# Allegro board S071AA-0413-20260427.brd (continued)
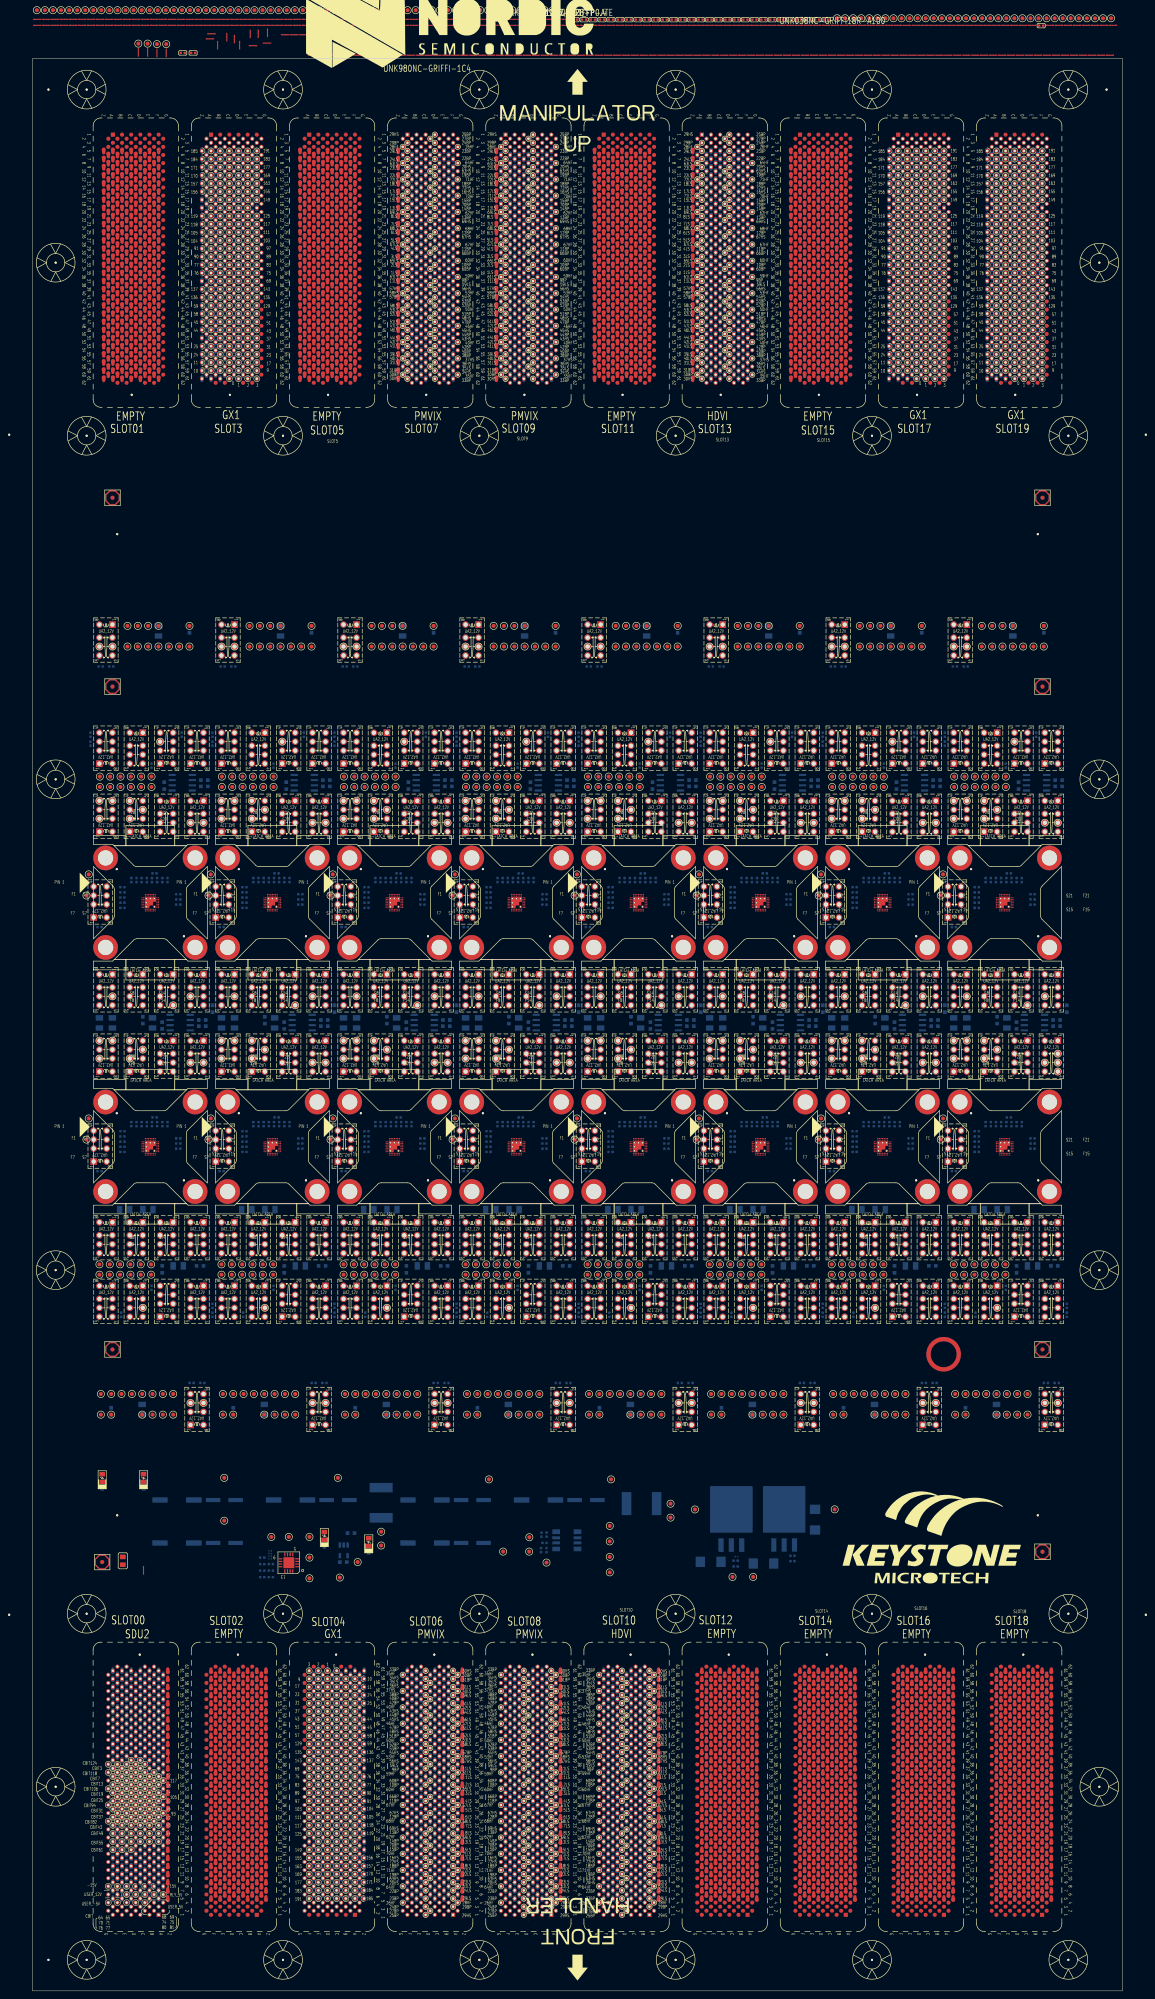
[diagram p0: board, top side]
## Nets (continued)
N05396: UNK2K6.4 UNK2R3.1
N05400: UNK2K5.4 UNK2R2.1
N05404: UNK2R41.2 UNK2R42.1
N05614: UNK2C5.1 UNK2K8.5
N05638: UNK2C3.1 UNK2K2.4
N05774: UNK2C4.2 UNK2K8.4
N05938: SITE2.S24(PVSS_S) UNK2RS2.2 UNK2RS4.2
N05964: UNK2R14.1 UNK2SH7.1 UNK2SH9.2 UNK2SH14.2 UNK2SH16.2 UNK2SH30.1 UNK2SH32.2
N05980: UNK2R13.1 UNK2SH2.1 UNK2SH20.1 UNK2SH29.1 UNK2SH33.1 UNK2SH34.1 UNK2SH39.2
N10483: UNK3K7.4 UNK3R41.1
N10487: UNK3K6.4 UNK3R3.1
N10491: UNK3K5.4 UNK3R2.1
N10495: UNK3R41.2 UNK3R42.1
N10705: UNK3C5.1 UNK3K8.5
N10729: UNK3C3.1 UNK3K2.4
N10865: UNK3C4.2 UNK3K8.4
N11029: SITE3.S24(PVSS_S) UNK3RS2.2 UNK3RS4.2
N11055: UNK3R14.1 UNK3SH7.1 UNK3SH9.2 UNK3SH14.2 UNK3SH16.2 UNK3SH30.1 UNK3SH32.2
N11071: UNK3R13.1 UNK3SH2.1 UNK3SH20.1 UNK3SH29.1 UNK3SH33.1 UNK3SH34.1 UNK3SH39.2
N15574: UNK4K7.4 UNK4R41.1
N15578: UNK4K6.4 UNK4R3.1
N15582: UNK4K5.4 UNK4R2.1
N15586: UNK4R41.2 UNK4R42.1
N15796: UNK4C5.1 UNK4K8.5
N15820: UNK4C3.1 UNK4K2.4
N15956: UNK4C4.2 UNK4K8.4
N16120: SITE4.S24(PVSS_S) UNK4RS2.2 UNK4RS4.2
N16146: UNK4R14.1 UNK4SH7.1 UNK4SH9.2 UNK4SH14.2 UNK4SH16.2 UNK4SH30.1 UNK4SH32.2
N16162: UNK4R13.1 UNK4SH2.1 UNK4SH20.1 UNK4SH29.1 UNK4SH33.1 UNK4SH34.1 UNK4SH39.2
N20665: UNK5K7.4 UNK5R41.1
N20669: UNK5K6.4 UNK5R3.1
N20673: UNK5K5.4 UNK5R2.1
N20677: UNK5R41.2 UNK5R42.1
N20887: UNK5C5.1 UNK5K8.5
N20911: UNK5C3.1 UNK5K2.4
N21047: UNK5C4.2 UNK5K8.4
N21211: SITE5.S24(PVSS_S) UNK5RS2.2 UNK5RS4.2
N21237: UNK5R14.1 UNK5SH7.1 UNK5SH9.2 UNK5SH14.2 UNK5SH16.2 UNK5SH30.1 UNK5SH32.2
N21253: UNK5R13.1 UNK5SH2.1 UNK5SH20.1 UNK5SH29.1 UNK5SH33.1 UNK5SH34.1 UNK5SH39.2
N25756: UNK6K7.4 UNK6R41.1
N25760: UNK6K6.4 UNK6R3.1
N25764: UNK6K5.4 UNK6R2.1
N25768: UNK6R41.2 UNK6R42.1
N25978: UNK6C5.1 UNK6K8.5
N26002: UNK6C3.1 UNK6K2.4
N26138: UNK6C4.2 UNK6K8.4
N26302: SITE6.S24(PVSS_S) UNK6RS2.2 UNK6RS4.2
N26328: UNK6R14.1 UNK6SH7.1 UNK6SH9.2 UNK6SH14.2 UNK6SH16.2 UNK6SH30.1 UNK6SH32.2
N26344: UNK6R13.1 UNK6SH2.1 UNK6SH20.1 UNK6SH29.1 UNK6SH33.1 UNK6SH34.1 UNK6SH39.2
N30847: UNK7K7.4 UNK7R41.1
N30851: UNK7K6.4 UNK7R3.1
N30855: UNK7K5.4 UNK7R2.1
N30859: UNK7R41.2 UNK7R42.1
N31069: UNK7C5.1 UNK7K8.5
N31093: UNK7C3.1 UNK7K2.4
N31229: UNK7C4.2 UNK7K8.4
N31393: SITE7.S24(PVSS_S) UNK7RS2.2 UNK7RS4.2
N31419: UNK7R14.1 UNK7SH7.1 UNK7SH9.2 UNK7SH14.2 UNK7SH16.2 UNK7SH30.1 UNK7SH32.2
N31435: UNK7R13.1 UNK7SH2.1 UNK7SH20.1 UNK7SH29.1 UNK7SH33.1 UNK7SH34.1 UNK7SH39.2
N35938: UNK8K7.4 UNK8R41.1
N35942: UNK8K6.4 UNK8R3.1
N35946: UNK8K5.4 UNK8R2.1
N35950: UNK8R41.2 UNK8R42.1
N36160: UNK8C5.1 UNK8K8.5
N36184: UNK8C3.1 UNK8K2.4
N36320: UNK8C4.2 UNK8K8.4
N36484: SITE8.S24(PVSS_S) UNK8RS2.2 UNK8RS4.2
N36510: UNK8R14.1 UNK8SH7.1 UNK8SH9.2 UNK8SH14.2 UNK8SH16.2 UNK8SH30.1 UNK8SH32.2
N36526: UNK8R13.1 UNK8SH2.1 UNK8SH20.1 UNK8SH29.1 UNK8SH33.1 UNK8SH34.1 UNK8SH39.2
N41029: UNK9K7.4 UNK9R41.1
N41033: UNK9K6.4 UNK9R3.1
N41037: UNK9K5.4 UNK9R2.1
N41041: UNK9R41.2 UNK9R42.1
N41251: UNK9C5.1 UNK9K8.5
N41275: UNK9C3.1 UNK9K2.4
N41411: UNK9C4.2 UNK9K8.4
N41575: SITE9.S24(PVSS_S) UNK9RS2.2 UNK9RS4.2
N41601: UNK9R14.1 UNK9SH7.1 UNK9SH9.2 UNK9SH14.2 UNK9SH16.2 UNK9SH30.1 UNK9SH32.2
N41617: UNK9R13.1 UNK9SH2.1 UNK9SH20.1 UNK9SH29.1 UNK9SH33.1 UNK9SH34.1 UNK9SH39.2
N46120: UNK10K7.4 UNK10R41.1
N46124: UNK10K6.4 UNK10R3.1
N46128: UNK10K5.4 UNK10R2.1
N46132: UNK10R41.2 UNK10R42.1
N46342: UNK10C5.1 UNK10K8.5
N46366: UNK10C3.1 UNK10K2.4
N46502: UNK10C4.2 UNK10K8.4
N46666: SITE10.S24(PVSS_S) UNK10RS2.2 UNK10RS4.2
N46692: UNK10R14.1 UNK10SH7.1 UNK10SH9.2 UNK10SH14.2 UNK10SH16.2 UNK10SH30.1 UNK10SH32.2
N46708: UNK10R13.1 UNK10SH2.1 UNK10SH20.1 UNK10SH29.1 UNK10SH33.1 UNK10SH34.1 UNK10SH39.2
N51211: UNK11K7.4 UNK11R41.1
N51215: UNK11K6.4 UNK11R3.1
N51219: UNK11K5.4 UNK11R2.1
N51223: UNK11R41.2 UNK11R42.1
N51433: UNK11C5.1 UNK11K8.5
N51457: UNK11C3.1 UNK11K2.4
N51593: UNK11C4.2 UNK11K8.4
N51757: SITE11.S24(PVSS_S) UNK11RS2.2 UNK11RS4.2
N51783: UNK11R14.1 UNK11SH7.1 UNK11SH9.2 UNK11SH14.2 UNK11SH16.2 UNK11SH30.1 UNK11SH32.2
N51799: UNK11R13.1 UNK11SH2.1 UNK11SH20.1 UNK11SH29.1 UNK11SH33.1 UNK11SH34.1 UNK11SH39.2
N56302: UNK12K7.4 UNK12R41.1
N56306: UNK12K6.4 UNK12R3.1
N56310: UNK12K5.4 UNK12R2.1
N56314: UNK12R41.2 UNK12R42.1
N56524: UNK12C5.1 UNK12K8.5
N56548: UNK12C3.1 UNK12K2.4
N56684: UNK12C4.2 UNK12K8.4
N56848: SITE12.S24(PVSS_S) UNK12RS2.2 UNK12RS4.2
N56874: UNK12R14.1 UNK12SH7.1 UNK12SH9.2 UNK12SH14.2 UNK12SH16.2 UNK12SH30.1 UNK12SH32.2
N56890: UNK12R13.1 UNK12SH2.1 UNK12SH20.1 UNK12SH29.1 UNK12SH33.1 UNK12SH34.1 UNK12SH39.2
N61393: UNK13K7.4 UNK13R41.1
N61397: UNK13K6.4 UNK13R3.1
N61401: UNK13K5.4 UNK13R2.1
N61405: UNK13R41.2 UNK13R42.1
N61615: UNK13C5.1 UNK13K8.5
N61639: UNK13C3.1 UNK13K2.4
N61775: UNK13C4.2 UNK13K8.4
N61939: SITE13.S24(PVSS_S) UNK13RS2.2 UNK13RS4.2
N61965: UNK13R14.1 UNK13SH7.1 UNK13SH9.2 UNK13SH14.2 UNK13SH16.2 UNK13SH30.1 UNK13SH32.2
N61981: UNK13R13.1 UNK13SH2.1 UNK13SH20.1 UNK13SH29.1 UNK13SH33.1 UNK13SH34.1 UNK13SH39.2
N66484: UNK14K7.4 UNK14R41.1
N66488: UNK14K6.4 UNK14R3.1
N66492: UNK14K5.4 UNK14R2.1
N66496: UNK14R41.2 UNK14R42.1
N66706: UNK14C5.1 UNK14K8.5
N66730: UNK14C3.1 UNK14K2.4
N66866: UNK14C4.2 UNK14K8.4
N67030: SITE14.S24(PVSS_S) UNK14RS2.2 UNK14RS4.2
N67056: UNK14R14.1 UNK14SH7.1 UNK14SH9.2 UNK14SH14.2 UNK14SH16.2 UNK14SH30.1 UNK14SH32.2
N67072: UNK14R13.1 UNK14SH2.1 UNK14SH20.1 UNK14SH29.1 UNK14SH33.1 UNK14SH34.1 UNK14SH39.2
N71575: UNK15K7.4 UNK15R41.1
N71579: UNK15K6.4 UNK15R3.1
N71583: UNK15K5.4 UNK15R2.1
N71587: UNK15R41.2 UNK15R42.1
N71797: UNK15C5.1 UNK15K8.5
N71821: UNK15C3.1 UNK15K2.4
N71957: UNK15C4.2 UNK15K8.4
N72121: SITE15.S24(PVSS_S) UNK15RS2.2 UNK15RS4.2
N72147: UNK15R14.1 UNK15SH7.1 UNK15SH9.2 UNK15SH14.2 UNK15SH16.2 UNK15SH30.1 UNK15SH32.2
N72163: UNK15R13.1 UNK15SH2.1 UNK15SH20.1 UNK15SH29.1 UNK15SH33.1 UNK15SH34.1 UNK15SH39.2
N76666: UNK16K7.4 UNK16R41.1
N76670: UNK16K6.4 UNK16R3.1
N76674: UNK16K5.4 UNK16R2.1
N76678: UNK16R41.2 UNK16R42.1
N76888: UNK16C5.1 UNK16K8.5
N76912: UNK16C3.1 UNK16K2.4
N77048: UNK16C4.2 UNK16K8.4
N77212: SITE16.S24(PVSS_S) UNK16RS2.2 UNK16RS4.2
N77238: UNK16R14.1 UNK16SH7.1 UNK16SH9.2 UNK16SH14.2 UNK16SH16.2 UNK16SH30.1 UNK16SH32.2
N77254: UNK16R13.1 UNK16SH2.1 UNK16SH20.1 UNK16SH29.1 UNK16SH33.1 UNK16SH34.1 UNK16SH39.2
N19416570: UNK1K7.4 UNK1R41.1
N19416573: UNK1K6.4 UNK1R3.1
N19416576: UNK1K5.4 UNK1R2.1
N19416583: UNK1R41.2 UNK1R42.1
N19419031: UNK1C5.1 UNK1K8.5
N19465903: UNK1C3.1 UNK1K2.4
N19474263: UNK1C4.2 UNK1K8.4
N19657625: SITE1.S24(PVSS_S) UNK1RS2.2 UNK1RS4.2
N19659235: UNK1R14.1 UNK1SH7.1 UNK1SH9.2 UNK1SH14.2 UNK1SH16.2 UNK1SH30.1 UNK1SH32.2
N19659515: UNK1R13.1 UNK1SH2.1 UNK1SH20.1 UNK1SH29.1 UNK1SH33.1 UNK1SH34.1 UNK1SH39.2
N22962297: BR4.1 USER_12V1.2(B)
N22962300: BR1.1 USER_5V1.2(B)
N22962303: BR2.1 USER_-5V1.2(B)
N22962306: BR3.1 RLY_5V1.2(B)

Pads without a net: FD1 1; FD2 1; FD3 1; FD4 1; FD5 1; FD6 1; FD7 1; FD8 1; FD9 1; FD10 1; FD11 1; FD12 1; FD13 1; FD14 1; FD15 1; FD16 1; LOGO1 1; LOGO2 1; NPM1212-GRIFFI 1; NPM1212-QFN28-P0.4 1; SITE1 NUT1 NUT2 NUT3 NUT4; SITE2 NUT1 NUT2 NUT3 NUT4; SITE3 NUT1 NUT2 NUT3 NUT4; SITE4 NUT1 NUT2 NUT3 NUT4; SITE5 NUT1 NUT2 NUT3 NUT4; SITE6 NUT1 NUT2 NUT3 NUT4; SITE7 NUT1 NUT2 NUT3 NUT4; SITE8 NUT1 NUT2 NUT3 NUT4; SITE9 NUT1 NUT2 NUT3 NUT4; SITE10 NUT1 NUT2 NUT3 NUT4; SITE11 NUT1 NUT2 NUT3 NUT4; SITE12 NUT1 NUT2 NUT3 NUT4; SITE13 NUT1 NUT2 NUT3 NUT4; SITE14 NUT1 NUT2 NUT3 NUT4; SITE15 NUT1 NUT2 NUT3 NUT4; SITE16 NUT1 NUT2 NUT3 NUT4; SLOT0 A1 A48 B1 C1 D1 E1 F1 G48 Z5 Z7 Z9 Z11 Z13 Z15 Z17 Z19 Z21 Z23 Z25 Z27 Z29 Z31 Z33 Z35 Z37 Z39 Z41 Z43 Z45 Z47 Z49 Z51 Z53 Z55 Z57 Z59 Z61; SLOT1 A1 A2 A3 A4 A5 A6 A7 A8 A9 A10 A11 A12 A13 A14 A15 A16 A17 A18 A19 A20 A21 A22 A23 A24 A25 A26 A27 A28 A29 A30 A31 A32 A33 A34 A35 A36 A37 A38 A39 A40 A41 A42 A43 A44 A45 A46 A47 A48 A49 A50 A51 A52 A53 A54 A55 A56 A57 A58 A59 A60 A61 B1 B2 B3 B4 B5 B6 B7 B8 B9 B10 B11 B12 B13 B14 B15 B16 B17 B18 B19 B20 B21 B22 B23 B24 B25 B26 B27 B28 B29 B30 B31 B32 B33 B34 B35 B36 B37 B38 B39 B40 B41 B42 B43 B44 B45 B46 B47 B48 B49 B50 B51 B52 B53 B54 B55 B56 B57 B58 B59 B60 B61 B62 C1 C2 C3 C4 C5 C6 C7 C8 C9 C10 C11 C12 C13 C14 C15 C16 C17 C18 C19 C20 C21 C22 C23 C24 C25 C26 C27 C28 C29 C30 C31 C32 C33 C34 C35 C36 C37 C38 C39 C40 C41 C42 C43 C44 C45 C46 C47 C48 C49 C50 C51 C52 C53 C54 C55 C56 C57 C58 C59 C60 C61 C62 D1 D2 D3 D4 D5 D6 D7 D8 D9 D10 D11 D12 D13 D14 D15 D16 D17 D18 D19 D20 D21 D22 D23 D24 D25 D26 D27 D28 D29 D30 D31 D32 D33 D34 D35 D36 D37 D38 D39 D40 D41 D42 D43 D44 D45 D46 D47 D48 D49 D50 D51 D52 D53 D54 D55 D56 D57 D58 D59 D60 D61 E1 E2 E3 E4 E5 E6 E7 E8 E9 E10 E11 E12 E13 E14 E15 E16 E17 E18 E19 E20 E21 E22 E23 E24 E25 E26 E27 E28 E29 E30 E31 E32 E33 E34 E35 E36 E37 E38 E39 E40 E41 E42 E43 E44 E45 E46 E47 E48 E49 E50 E51 E52 E53 E54 E55 E56 E57 E58 E59 E60 E61 E62 F1 F2 F3 F4 F5 F6 F7 F8 F9 F10 F11 F12 F13 F14 F15 F16 F17 F18 F19 F20 F21 F22 F23 F24 F25 F26 F27 F28 F29 F30 F31 F32 F33 F34 F35 F36 F37 F38 F39 F40 F41 F42 F43 F44 F45 F46 F47 F48 F49 F50 F51 F52 F53 F54 F55 F56 F57 F58 F59 F60 F61 F62 G2 G4 G6 G8 G10 G12 G14 G16 G18 G20 G22 G24 G26 G28 G30 G32 G34 G36 G38 G40 G42 G44 G46 G48 G50 G52 G54 G56 G58 G60 Z5 Z7 Z9 Z11 Z13 Z15 Z17 Z19 Z21 Z23 Z25 Z27 Z29 Z31 Z33 Z35 Z37 Z39 Z41 Z43 Z45 Z47 Z49 Z51 Z53 Z55 Z57 Z59 Z61; SLOT2 A1 A2 A3 A4 A5 A6 A7 A8 A9 A10 A11 A12 A13 A14 A15 A16 A17 A18 A19 A20 A21 A22 A23 A24 A25 A26 A27 A28 A29 A30 A31 A32 A33 A34 A35 A36 A37 A38 A39 A40 A41 A42 A43 A44 A45 A46 A47 A48 A49 A50 A51 A52 A53 A54 A55 A56 A57 A58 A59 A60 A61 B1 B2 B3 B4 B5 B6 B7 B8 B9 B10 B11 B12 B13 B14 B15 B16 B17 B18 B19 B20 B21 B22 B23 B24 B25 B26 B27 B28 B29 B30 B31 B32 B33 B34 B35 B36 B37 B38 B39 B40 B41 B42 B43 B44 B45 B46 B47 B48 B49 B50 B51 B52 B53 B54 B55 B56 B57 B58 B59 B60 B61 B62 C1 C2 C3 C4 C5 C6 C7 C8 C9 C10 C11 C12 C13 C14 C15 C16 C17 C18 C19 C20 C21 C22 C23 C24 C25 C26 C27 C28 C29 C30 C31 C32 C33 C34 C35 C36 C37 C38 C39 C40 C41 C42 C43 C44 C45 C46 C47 C48 C49 C50 C51 C52 C53 C54 C55 C56 C57 C58 C59 C60 C61 C62 D1 D2 D3 D4 D5 D6 D7 D8 D9 D10 D11 D12 D13 D14 D15 D16 D17 D18 D19 D20 D21 D22 D23 D24 D25 D26 D27 D28 D29 D30 D31 D32 D33 D34 D35 D36 D37 D38 D39 D40 D41 D42 D43 D44 D45 D46 D47 D48 D49 D50 D51 D52 D53 D54 D55 D56 D57 D58 D59 D60 D61 E1 E2 E3 E4 E5 E6 E7 E8 E9 E10 E11 E12 E13 E14 E15 E16 E17 E18 E19 E20 E21 E22 E23 E24 E25 E26 E27 E28 E29 E30 E31 E32 E33 E34 E35 E36 E37 E38 E39 E40 E41 E42 E43 E44 E45 E46 E47 E48 E49 E50 E51 E52 E53 E54 E55 E56 E57 E58 E59 E60 E61 E62 F1 F2 F3 F4 F5 F6 F7 F8 F9 F10 F11 F12 F13 F14 F15 F16 F17 F18 F19 F20 F21 F22 F23 F24 F25 F26 F27 F28 F29 F30 F31 F32 F33 F34 F35 F36 F37 F38 F39 F40 F41 F42 F43 F44 F45 F46 F47 F48 F49 F50 F51 F52 F53 F54 F55 F56 F57 F58 F59 F60 F61 F62 G2 G4 G6 G8 G10 G12 G14 G16 G18 G20 G22 G24 G26 G28 G30 G32 G34 G36 G38 G40 G42 G44 G46 G48 G50 G52 G54 G56 G58 G60 Z5 Z7 Z9 Z11 Z13 Z15 Z17 Z19 Z21 Z23 Z25 Z27 Z29 Z31 Z33 Z35 Z37 Z39 Z41 Z43 Z45 Z47 Z49 Z51 Z53 Z55 Z57 Z59 Z61; SLOT3 A1 A2 A3 A4 A19 A61 B1 B2 B3 B4 B61 B62 C1 C2 C3 C4 C62 D1 D2 D3 D4 D19 E1 E2 E3 E4 E19 E62 F1 F2 F3 F4 F62 G2 G4 G6 G8 G10 G12 G14 G16 G18 G20 G22 G24 G26 G28 G30 G32 G34 G36 G38 G40 G42 G44 G46 G48 G50 G52 G54 G56 G58 G60 Z17 Z19 Z37 Z51 Z61; SLOT4 A1 A2 A3 A4 A19 A61 B1 B2 B3 B4 B61 B62 C1 C2 C3 C4 C62 D1 D2 D3 D4 D19 E1 E2 E3 E4 E19 E62 F1 F2 F3 F4 F62 G2 G4 G6 G8 G10 G12 G14 G16 G18 G20 G22 G24 G26 G28 G30 G32 G34 G36 G38 G40 G42 G44 G46 G48 G50 G52 G54 G56 G58 G60 Z17 Z19 Z37 Z51 Z61; SLOT5 A1 A2 A3 A4 A5 A6 A7 A8 A9 A10 A11 A12 A13 A14 A15 A16 A17 A18 A19 A20 A21 A22 A23 A24 A25 A26 A27 A28 A29 A30 A31 A32 A33 A34 A35 A36 A37 A38 A39 A40 A41 A42 A43 A44 A45 A46 A47 A48 A49 A50 A51 A52 A53 A54 A55 A56 A57 A58 A59 A60 A61 B1 B2 B3 B4 B5 B6 B7 B8 B9 B10 B11 B12 B13 B14 B15 B16 B17 B18 B19 B20 B21 B22 B23 B24 B25 B26 B27 B28 B29 B30 B31 B32 B33 B34 B35 B36 B37 B38 B39 B40 B41 B42 B43 B44 B45 B46 B47 B48 B49 B50 B51 B52 B53 B54 B55 B56 B57 B58 B59 B60 B61 B62 C1 C2 C3 C4 C5 C6 C7 C8 C9 C10 C11 C12 C13 C14 C15 C16 C17 C18 C19 C20 C21 C22 C23 C24 C25 C26 C27 C28 C29 C30 C31 C32 C33 C34 C35 C36 C37 C38 C39 C40 C41 C42 C43 C44 C45 C46 C47 C48 C49 C50 C51 C52 C53 C54 C55 C56 C57 C58 C59 C60 C61 C62 D1 D2 D3 D4 D5 D6 D7 D8 D9 D10 D11 D12 D13 D14 D15 D16 D17 D18 D19 D20 D21 D22 D23 D24 D25 D26 D27 D28 D29 D30 D31 D32 D33 D34 D35 D36 D37 D38 D39 D40 D41 D42 D43 D44 D45 D46 D47 D48 D49 D50 D51 D52 D53 D54 D55 D56 D57 D58 D59 D60 D61 E1 E2 E3 E4 E5 E6 E7 E8 E9 E10 E11 E12 E13 E14 E15 E16 E17 E18 E19 E20 E21 E22 E23 E24 E25 E26 E27 E28 E29 E30 E31 E32 E33 E34 E35 E36 E37 E38 E39 E40 E41 E42 E43 E44 E45 E46 E47 E48 E49 E50 E51 E52 E53 E54 E55 E56 E57 E58 E59 E60 E61 E62 F1 F2 F3 F4 F5 F6 F7 F8 F9 F10 F11 F12 F13 F14 F15 F16 F17 F18 F19 F20 F21 F22 F23 F24 F25 F26 F27 F28 F29 F30 F31 F32 F33 F34 F35 F36 F37 F38 F39 F40 F41 F42 F43 F44 F45 F46 F47 F48 F49 F50 F51 F52 F53 F54 F55 F56 F57 F58 F59 F60 F61 F62 G2 G4 G6 G8 G10 G12 G14 G16 G18 G20 G22 G24 G26 G28 G30 G32 G34 G36 G38 G40 G42 G44 G46 G48 G50 G52 G54 G56 G58 G60 Z5 Z7 Z9 Z11 Z13 Z15 Z17 Z19 Z21 Z23 Z25 Z27 Z29 Z31 Z33 Z35 Z37 Z39 Z41 Z43 Z45 Z47 Z49 Z51 Z53 Z55 Z57 Z59 Z61; SLOT6 B6 D6 D23 D27 D31 D35 E4 Z5 Z7 Z9 Z11 Z13 Z15 Z17 Z19 Z21 Z23 Z25 Z27 Z29 Z31 Z33 Z35 Z37 Z39 Z41 Z43 Z45 Z47 Z49 Z51 Z53 Z55 Z57 Z59 Z61; SLOT7 B6 D6 D23 D27 D31 D35 E4 Z5 Z7 Z9 Z11 Z13 Z15 Z17 Z19 Z21 Z23 Z25 Z27 Z29 Z31 Z33 Z35 Z37 Z39 Z41 Z43 Z45 Z47 Z49 Z51 Z53 Z55 Z57 Z59 Z61; SLOT8 B6 D6 D23 D27 D31 D35 E4 Z5 Z7 Z9 Z11 Z13 Z15 Z17 Z19 Z21 Z23 Z25 Z27 Z29 Z31 Z33 Z35 Z37 Z39 Z41 Z43 Z45 Z47 Z49 Z51 Z53 Z55 Z57 Z59 Z61; SLOT9 B6 D6 D23 D27 D31 D35 E4 Z5 Z7 Z9 Z11 Z13 Z15 Z17 Z19 Z21 Z23 Z25 Z27 Z29 Z31 Z33 Z35 Z37 Z39 Z41 Z43 Z45 Z47 Z49 Z51 Z53 Z55 Z57 Z59 Z61; SLOT10 B6 D6 D23 D27 D31 D35 E4 Z5 Z7 Z9 Z11 Z13 Z15 Z17 Z19 Z21 Z23 Z25 Z27 Z29 Z31 Z33 Z35 Z37 Z39 Z41 Z43 Z45 Z47 Z49 Z51 Z53 Z55 Z57 Z59 Z61; SLOT11 A1 A2 A3 A4 A5 A6 A7 A8 A9 A10 A11 A12 A13 A14 A15 A16 A17 A18 A19 A20 A21 A22 A23 A24 A25 A26 A27 A28 A29 A30 A31 A32 A33 A34 A35 A36 A37 A38 A39 A40 A41 A42 A43 A44 A45 A46 A47 A48 A49 A50 A51 A52 A53 A54 A55 A56 A57 A58 A59 A60 A61 B1 B2 B3 B4 B5 B6 B7 B8 B9 B10 B11 B12 B13 B14 B15 B16 B17 B18 B19 B20 B21 B22 B23 B24 B25 B26 B27 B28 B29 B30 B31 B32 B33 B34 B35 B36 B37 B38 B39 B40 B41 B42 B43 B44 B45 B46 B47 B48 B49 B50 B51 B52 B53 B54 B55 B56 B57 B58 B59 B60 B61 B62 C1 C2 C3 C4 C5 C6 C7 C8 C9 C10 C11 C12 C13 C14 C15 C16 C17 C18 C19 C20 C21 C22 C23 C24 C25 C26 C27 C28 C29 C30 C31 C32 C33 C34 C35 C36 C37 C38 C39 C40 C41 C42 C43 C44 C45 C46 C47 C48 C49 C50 C51 C52 C53 C54 C55 C56 C57 C58 C59 C60 C61 C62 D1 D2 D3 D4 D5 D6 D7 D8 D9 D10 D11 D12 D13 D14 D15 D16 D17 D18 D19 D20 D21 D22 D23 D24 D25 D26 D27 D28 D29 D30 D31 D32 D33 D34 D35 D36 D37 D38 D39 D40 D41 D42 D43 D44 D45 D46 D47 D48 D49 D50 D51 D52 D53 D54 D55 D56 D57 D58 D59 D60 D61 E1 E2 E3 E4 E5 E6 E7 E8 E9 E10 E11 E12 E13 E14 E15 E16 E17 E18 E19 E20 E21 E22 E23 E24 E25 E26 E27 E28 E29 E30 E31 E32 E33 E34 E35 E36 E37 E38 E39 E40 E41 E42 E43 E44 E45 E46 E47 E48 E49 E50 E51 E52 E53 E54 E55 E56 E57 E58 E59 E60 E61 E62 F1 F2 F3 F4 F5 F6 F7 F8 F9 F10 F11 F12 F13 F14 F15 F16 F17 F18 F19 F20 F21 F22 F23 F24 F25 F26 F27 F28 F29 F30 F31 F32 F33 F34 F35 F36 F37 F38 F39 F40 F41 F42 F43 F44 F45 F46 F47 F48 F49 F50 F51 F52 F53 F54 F55 F56 F57 F58 F59 F60 F61 F62 G2 G4 G6 G8 G10 G12 G14 G16 G18 G20 G22 G24 G26 G28 G30 G32 G34 G36 G38 G40 G42 G44 G46 G48 G50 G52 G54 G56 G58 G60 Z5 Z7 Z9 Z11 Z13 Z15 Z17 Z19 Z21 Z23 Z25 Z27 Z29 Z31 Z33 Z35 Z37 Z39 Z41 Z43 Z45 Z47 Z49 Z51 Z53 Z55 Z57 Z59 Z61; SLOT12 A1 A2 A3 A4 A5 A6 A7 A8 A9 A10 A11 A12 A13 A14 A15 A16 A17 A18 A19 A20 A21 A22 A23 A24 A25 A26 A27 A28 A29 A30 A31 A32 A33 A34 A35 A36 A37 A38 A39 A40 A41 A42 A43 A44 A45 A46 A47 A48 A49 A50 A51 A52 A53 A54 A55 A56 A57 A58 A59 A60 A61 B1 B2 B3 B4 B5 B6 B7 B8 B9 B10 B11 B12 B13 B14 B15 B16 B17 B18 B19 B20 B21 B22 B23 B24 B25 B26 B27 B28 B29 B30 B31 B32 B33 B34 B35 B36 B37 B38 B39 B40 B41 B42 B43 B44 B45 B46 B47 B48 B49 B50 B51 B52 B53 B54 B55 B56 B57 B58 B59 B60 B61 B62 C1 C2 C3 C4 C5 C6 C7 C8 C9 C10 C11 C12 C13 C14 C15 C16 C17 C18 C19 C20 C21 C22 C23 C24 C25 C26 C27 C28 C29 C30 C31 C32 C33 C34 C35 C36 C37 C38 C39 C40 C41 C42 C43 C44 C45 C46 C47 C48 C49 C50 C51 C52 C53 C54 C55 C56 C57 C58 C59 C60 C61 C62 D1 D2 D3 D4 D5 D6 D7 D8 D9 D10 D11 D12 D13 D14 D15 D16 D17 D18 D19 D20 D21 D22 D23 D24 D25 D26 D27 D28 D29 D30 D31 D32 D33 D34 D35 D36 D37 D38 D39 D40 D41 D42 D43 D44 D45 D46 D47 D48 D49 D50 D51 D52 D53 D54 D55 D56 D57 D58 D59 D60 D61 E1 E2 E3 E4 E5 E6 E7 E8 E9 E10 E11 E12 E13 E14 E15 E16 E17 E18 E19 E20 E21 E22 E23 E24 E25 E26 E27 E28 E29 E30 E31 E32 E33 E34 E35 E36 E37 E38 E39 E40 E41 E42 E43 E44 E45 E46 E47 E48 E49 E50 E51 E52 E53 E54 E55 E56 E57 E58 E59 E60 E61 E62 F1 F2 F3 F4 F5 F6 F7 F8 F9 F10 F11 F12 F13 F14 F15 F16 F17 F18 F19 F20 F21 F22 F23 F24 F25 F26 F27 F28 F29 F30 F31 F32 F33 F34 F35 F36 F37 F38 F39 F40 F41 F42 F43 F44 F45 F46 F47 F48 F49 F50 F51 F52 F53 F54 F55 F56 F57 F58 F59 F60 F61 F62 G2 G4 G6 G8 G10 G12 G14 G16 G18 G20 G22 G24 G26 G28 G30 G32 G34 G36 G38 G40 G42 G44 G46 G48 G50 G52 G54 G56 G58 G60 Z5 Z7 Z9 Z11 Z13 Z15 Z17 Z19 Z21 Z23 Z25 Z27 Z29 Z31 Z33 Z35 Z37 Z39 Z41 Z43 Z45 Z47 Z49 Z51 Z53 Z55 Z57 Z59 Z61; SLOT13 B6 D6 D23 D27 D31 D35 E4 Z5 Z7 Z9 Z11 Z13 Z15 Z17 Z19 Z21 Z23 Z25 Z27 Z29 Z31 Z33 Z35 Z37 Z39 Z41 Z43 Z45 Z47 Z49 Z51 Z53 Z55 Z57 Z59 Z61; SLOT14 A1 A2 A3 A4 A5 A6 A7 A8 A9 A10 A11 A12 A13 A14 A15 A16 A17 A18 A19 A20 A21 A22 A23 A24 A25 A26 A27 A28 A29 A30 A31 A32 A33 A34 A35 A36 A37 A38 A39 A40 A41 A42 A43 A44 A45 A46 A47 A48 A49 A50 A51 A52 A53 A54 A55 A56 A57 A58 A59 A60 A61 B1 B2 B3 B4 B5 B6 B7 B8 B9 B10 B11 B12 B13 B14 B15 B16 B17 B18 B19 B20 B21 B22 B23 B24 B25 B26 B27 B28 B29 B30 B31 B32 B33 B34 B35 B36 B37 B38 B39 B40 B41 B42 B43 B44 B45 B46 B47 B48 B49 B50 B51 B52 B53 B54 B55 B56 B57 B58 B59 B60 B61 B62 C1 C2 C3 C4 C5 C6 C7 C8 C9 C10 C11 C12 C13 C14 C15 C16 C17 C18 C19 C20 C21 C22 C23 C24 C25 C26 C27 C28 C29 C30 C31 C32 C33 C34 C35 C36 C37 C38 C39 C40 C41 C42 C43 C44 C45 C46 C47 C48 C49 C50 C51 C52 C53 C54 C55 C56 C57 C58 C59 C60 C61 C62 D1 D2 D3 D4 D5 D6 D7 D8 D9 D10 D11 D12 D13 D14 D15 D16 D17 D18 D19 D20 D21 D22 D23 D24 D25 D26 D27 D28 D29 D30 D31 D32 D33 D34 D35 D36 D37 D38 D39 D40 D41 D42 D43 D44 D45 D46 D47 D48 D49 D50 D51 D52 D53 D54 D55 D56 D57 D58 D59 D60 D61 E1 E2 E3 E4 E5 E6 E7 E8 E9 E10 E11 E12 E13 E14 E15 E16 E17 E18 E19 E20 E21 E22 E23 E24 E25 E26 E27 E28 E29 E30 E31 E32 E33 E34 E35 E36 E37 E38 E39 E40 E41 E42 E43 E44 E45 E46 E47 E48 E49 E50 E51 E52 E53 E54 E55 E56 E57 E58 E59 E60 E61 E62 F1 F2 F3 F4 F5 F6 F7 F8 F9 F10 F11 F12 F13 F14 F15 F16 F17 F18 F19 F20 F21 F22 F23 F24 F25 F26 F27 F28 F29 F30 F31 F32 F33 F34 F35 F36 F37 F38 F39 F40 F41 F42 F43 F44 F45 F46 F47 F48 F49 F50 F51 F52 F53 F54 F55 F56 F57 F58 F59 F60 F61 F62 G2 G4 G6 G8 G10 G12 G14 G16 G18 G20 G22 G24 G26 G28 G30 G32 G34 G36 G38 G40 G42 G44 G46 G48 G50 G52 G54 G56 G58 G60 Z5 Z7 Z9 Z11 Z13 Z15 Z17 Z19 Z21 Z23 Z25 Z27 Z29 Z31 Z33 Z35 Z37 Z39 Z41 Z43 Z45 Z47 Z49 Z51 Z53 Z55 Z57 Z59 Z61; SLOT15 A1 A2 A3 A4 A5 A6 A7 A8 A9 A10 A11 A12 A13 A14 A15 A16 A17 A18 A19 A20 A21 A22 A23 A24 A25 A26 A27 A28 A29 A30 A31 A32 A33 A34 A35 A36 A37 A38 A39 A40 A41 A42 A43 A44 A45 A46 A47 A48 A49 A50 A51 A52 A53 A54 A55 A56 A57 A58 A59 A60 A61 B1 B2 B3 B4 B5 B6 B7 B8 B9 B10 B11 B12 B13 B14 B15 B16 B17 B18 B19 B20 B21 B22 B23 B24 B25 B26 B27 B28 B29 B30 B31 B32 B33 B34 B35 B36 B37 B38 B39 B40 B41 B42 B43 B44 B45 B46 B47 B48 B49 B50 B51 B52 B53 B54 B55 B56 B57 B58 B59 B60 B61 B62 C1 C2 C3 C4 C5 C6 C7 C8 C9 C10 C11 C12 C13 C14 C15 C16 C17 C18 C19 C20 C21 C22 C23 C24 C25 C26 C27 C28 C29 C30 C31 C32 C33 C34 C35 C36 C37 C38 C39 C40 C41 C42 C43 C44 C45 C46 C47 C48 C49 C50 C51 C52 C53 C54 C55 C56 C57 C58 C59 C60 C61 C62 D1 D2 D3 D4 D5 D6 D7 D8 D9 D10 D11 D12 D13 D14 D15 D16 D17 D18 D19 D20 D21 D22 D23 D24 D25 D26 D27 D28 D29 D30 D31 D32 D33 D34 D35 D36 D37 D38 D39 D40 D41 D42 D43 D44 D45 D46 D47 D48 D49 D50 D51 D52 D53 D54 D55 D56 D57 D58 D59 D60 D61 E1 E2 E3 E4 E5 E6 E7 E8 E9 E10 E11 E12 E13 E14 E15 E16 E17 E18 E19 E20 E21 E22 E23 E24 E25 E26 E27 E28 E29 E30 E31 E32 E33 E34 E35 E36 E37 E38 E39 E40 E41 E42 E43 E44 E45 E46 E47 E48 E49 E50 E51 E52 E53 E54 E55 E56 E57 E58 E59 E60 E61 E62 F1 F2 F3 F4 F5 F6 F7 F8 F9 F10 F11 F12 F13 F14 F15 F16 F17 F18 F19 F20 F21 F22 F23 F24 F25 F26 F27 F28 F29 F30 F31 F32 F33 F34 F35 F36 F37 F38 F39 F40 F41 F42 F43 F44 F45 F46 F47 F48 F49 F50 F51 F52 F53 F54 F55 F56 F57 F58 F59 F60 F61 F62 G2 G4 G6 G8 G10 G12 G14 G16 G18 G20 G22 G24 G26 G28 G30 G32 G34 G36 G38 G40 G42 G44 G46 G48 G50 G52 G54 G56 G58 G60 Z5 Z7 Z9 Z11 Z13 Z15 Z17 Z19 Z21 Z23 Z25 Z27 Z29 Z31 Z33 Z35 Z37 Z39 Z41 Z43 Z45 Z47 Z49 Z51 Z53 Z55 Z57 Z59 Z61; SLOT16 A1 A2 A3 A4 A5 A6 A7 A8 A9 A10 A11 A12 A13 A14 A15 A16 A17 A18 A19 A20 A21 A22 A23 A24 A25 A26 A27 A28 A29 A30 A31 A32 A33 A34 A35 A36 A37 A38 A39 A40 A41 A42 A43 A44 A45 A46 A47 A48 A49 A50 A51 A52 A53 A54 A55 A56 A57 A58 A59 A60 A61 B1 B2 B3 B4 B5 B6 B7 B8 B9 B10 B11 B12 B13 B14 B15 B16 B17 B18 B19 B20 B21 B22 B23 B24 B25 B26 B27 B28 B29 B30 B31 B32 B33 B34 B35 B36 B37 B38 B39 B40 B41 B42 B43 B44 B45 B46 B47 B48 B49 B50 B51 B52 B53 B54 B55 B56 B57 B58 B59 B60 B61 B62 C1 C2 C3 C4 C5 C6 C7 C8 C9 C10 C11 C12 C13 C14 C15 C16 C17 C18 C19 C20 C21 C22 C23 C24 C25 C26 C27 C28 C29 C30 C31 C32 C33 C34 C35 C36 C37 C38 C39 C40 C41 C42 C43 C44 C45 C46 C47 C48 C49 C50 C51 C52 C53 C54 C55 C56 C57 C58 C59 C60 C61 C62 D1 D2 D3 D4 D5 D6 D7 D8 D9 D10 D11 D12 D13 D14 D15 D16 D17 D18 D19 D20 D21 D22 D23 D24 D25 D26 D27 D28 D29 D30 D31 D32 D33 D34 D35 D36 D37 D38 D39 D40 D41 D42 D43 D44 D45 D46 D47 D48 D49 D50 D51 D52 D53 D54 D55 D56 D57 D58 D59 D60 D61 E1 E2 E3 E4 E5 E6 E7 E8 E9 E10 E11 E12 E13 E14 E15 E16 E17 E18 E19 E20 E21 E22 E23 E24 E25 E26 E27 E28 E29 E30 E31 E32 E33 E34 E35 E36 E37 E38 E39 E40 E41 E42 E43 E44 E45 E46 E47 E48 E49 E50 E51 E52 E53 E54 E55 E56 E57 E58 E59 E60 E61 E62 F1 F2 F3 F4 F5 F6 F7 F8 F9 F10 F11 F12 F13 F14 F15 F16 F17 F18 F19 F20 F21 F22 F23 F24 F25 F26 F27 F28 F29 F30 F31 F32 F33 F34 F35 F36 F37 F38 F39 F40 F41 F42 F43 F44 F45 F46 F47 F48 F49 F50 F51 F52 F53 F54 F55 F56 F57 F58 F59 F60 F61 F62 G2 G4 G6 G8 G10 G12 G14 G16 G18 G20 G22 G24 G26 G28 G30 G32 G34 G36 G38 G40 G42 G44 G46 G48 G50 G52 G54 G56 G58 G60 Z5 Z7 Z9 Z11 Z13 Z15 Z17 Z19 Z21 Z23 Z25 Z27 Z29 Z31 Z33 Z35 Z37 Z39 Z41 Z43 Z45 Z47 Z49 Z51 Z53 Z55 Z57 Z59 Z61; SLOT17 A1 A2 A3 A4 A19 A61 B1 B2 B3 B4 B61 B62 C1 C2 C3 C4 C62 D1 D2 D3 D4 D19 E1 E2 E3 E4 E19 E62 F1 F2 F3 F4 F62 G2 G4 G6 G8 G10 G12 G14 G16 G18 G20 G22 G24 G26 G28 G30 G32 G34 G36 G38 G40 G42 G44 G46 G48 G50 G52 G54 G56 G58 G60 Z17 Z19 Z37 Z51 Z61; SLOT18 A1 A2 A3 A4 A5 A6 A7 A8 A9 A10 A11 A12 A13 A14 A15 A16 A17 A18 A19 A20 A21 A22 A23 A24 A25 A26 A27 A28 A29 A30 A31 A32 A33 A34 A35 A36 A37 A38 A39 A40 A41 A42 A43 A44 A45 A46 A47 A48 A49 A50 A51 A52 A53 A54 A55 A56 A57 A58 A59 A60 A61 B1 B2 B3 B4 B5 B6 B7 B8 B9 B10 B11 B12 B13 B14 B15 B16 B17 B18 B19 B20 B21 B22 B23 B24 B25 B26 B27 B28 B29 B30 B31 B32 B33 B34 B35 B36 B37 B38 B39 B40 B41 B42 B43 B44 B45 B46 B47 B48 B49 B50 B51 B52 B53 B54 B55 B56 B57 B58 B59 B60 B61 B62 C1 C2 C3 C4 C5 C6 C7 C8 C9 C10 C11 C12 C13 C14 C15 C16 C17 C18 C19 C20 C21 C22 C23 C24 C25 C26 C27 C28 C29 C30 C31 C32 C33 C34 C35 C36 C37 C38 C39 C40 C41 C42 C43 C44 C45 C46 C47 C48 C49 C50 C51 C52 C53 C54 C55 C56 C57 C58 C59 C60 C61 C62 D1 D2 D3 D4 D5 D6 D7 D8 D9 D10 D11 D12 D13 D14 D15 D16 D17 D18 D19 D20 D21 D22 D23 D24 D25 D26 D27 D28 D29 D30 D31 D32 D33 D34 D35 D36 D37 D38 D39 D40 D41 D42 D43 D44 D45 D46 D47 D48 D49 D50 D51 D52 D53 D54 D55 D56 D57 D58 D59 D60 D61 E1 E2 E3 E4 E5 E6 E7 E8 E9 E10 E11 E12 E13 E14 E15 E16 E17 E18 E19 E20 E21 E22 E23 E24 E25 E26 E27 E28 E29 E30 E31 E32 E33 E34 E35 E36 E37 E38 E39 E40 E41 E42 E43 E44 E45 E46 E47 E48 E49 E50 E51 E52 E53 E54 E55 E56 E57 E58 E59 E60 E61 E62 F1 F2 F3 F4 F5 F6 F7 F8 F9 F10 F11 F12 F13 F14 F15 F16 F17 F18 F19 F20 F21 F22 F23 F24 F25 F26 F27 F28 F29 F30 F31 F32 F33 F34 F35 F36 F37 F38 F39 F40 F41 F42 F43 F44 F45 F46 F47 F48 F49 F50 F51 F52 F53 F54 F55 F56 F57 F58 F59 F60 F61 F62 G2 G4 G6 G8 G10 G12 G14 G16 G18 G20 G22 G24 G26 G28 G30 G32 G34 G36 G38 G40 G42 G44 G46 G48 G50 G52 G54 G56 G58 G60 Z5 Z7 Z9 Z11 Z13 Z15 Z17 Z19 Z21 Z23 Z25 Z27 Z29 Z31 Z33 Z35 Z37 Z39 Z41 Z43 Z45 Z47 Z49 Z51 Z53 Z55 Z57 Z59 Z61; SLOT19 A1 A2 A3 A4 A19 A61 B1 B2 B3 B4 B61 B62 C1 C2 C3 C4 C62 D1 D2 D3 D4 D19 E1 E2 E3 E4 E19 E62 F1 F2 F3 F4 F62 G2 G4 G6 G8 G10 G12 G14 G16 G18 G20 G22 G24 G26 G28 G30 G32 G34 G36 G38 G40 G42 G44 G46 G48 G50 G52 G54 G56 G58 G60 Z17 Z19 Z37 Z51 Z61; U4 5 6 7 8 13 14 15 16; U44 4; UNK1K1 2 5 6 7; UNK1K2 2 5 6 7; UNK1K3 5 6 7; UNK1K4 5 6 7; UNK1K5 2 5 6 7; UNK1K6 2 5 6 7; UNK1K7 2 5 6 7; UNK1K8 2 7; UNK1K9 2 7; UNK1K10 4 5; UNK1K11 2 5 6 7; UNK1K12 2 5 7; UNK1K13 7; UNK1K14 7; UNK1U1 1 3 5 7 8; UNK2K1 2 5 6 7; UNK2K2 2 5 6 7; UNK2K3 5 6 7; UNK2K4 5 6 7; UNK2K5 2 5 6 7; UNK2K6 2 5 6 7; UNK2K7 2 5 6 7; UNK2K8 2 7; UNK2K9 2 7; UNK2K10 4 5; UNK2K11 2 5 6 7; UNK2K12 2 5 7; UNK2K13 7; UNK2K14 7; UNK2U1 1 3 5 7 8; UNK3K1 2 5 6 7; UNK3K2 2 5 6 7; UNK3K3 5 6 7; UNK3K4 5 6 7; UNK3K5 2 5 6 7; UNK3K6 2 5 6 7; UNK3K7 2 5 6 7; UNK3K8 2 7; UNK3K9 2 7; UNK3K10 4 5; UNK3K11 2 5 6 7; UNK3K12 2 5 7; UNK3K13 7; UNK3K14 7; UNK3U1 1 3 5 7 8; UNK4K1 2 5 6 7; UNK4K2 2 5 6 7; UNK4K3 5 6 7; UNK4K4 5 6 7; UNK4K5 2 5 6 7; UNK4K6 2 5 6 7; UNK4K7 2 5 6 7; UNK4K8 2 7; UNK4K9 2 7; UNK4K10 4 5; UNK4K11 2 5 6 7; UNK4K12 2 5 7; UNK4K13 7; UNK4K14 7; UNK4U1 1 3 5 7 8; UNK5K1 2 5 6 7; UNK5K2 2 5 6 7; UNK5K3 5 6 7; UNK5K4 5 6 7; UNK5K5 2 5 6 7; UNK5K6 2 5 6 7; UNK5K7 2 5 6 7; UNK5K8 2 7; UNK5K9 2 7; UNK5K10 4 5; UNK5K11 2 5 6 7; UNK5K12 2 5 7; UNK5K13 7; UNK5K14 7; UNK5U1 1 3 5 7 8; UNK6K1 2 5 6 7; UNK6K2 2 5 6 7; UNK6K3 5 6 7; UNK6K4 5 6 7; UNK6K5 2 5 6 7; UNK6K6 2 5 6 7; UNK6K7 2 5 6 7; UNK6K8 2 7; UNK6K9 2 7; UNK6K10 4 5; UNK6K11 2 5 6 7; UNK6K12 2 5 7; UNK6K13 7; UNK6K14 7; UNK6U1 1 3 5 7 8; UNK7K1 2 5 6 7; UNK7K2 2 5 6 7; UNK7K3 5 6 7; UNK7K4 5 6 7; UNK7K5 2 5 6 7; UNK7K6 2 5 6 7; UNK7K7 2 5 6 7; UNK7K8 2 7; UNK7K9 2 7; UNK7K10 4 5; UNK7K11 2 5 6 7; UNK7K12 2 5 7; UNK7K13 7; UNK7K14 7; UNK7U1 1 3 5 7 8; UNK8K1 2 5 6 7; UNK8K2 2 5 6 7; UNK8K3 5 6 7; UNK8K4 5 6 7; UNK8K5 2 5 6 7; UNK8K6 2 5 6 7; UNK8K7 2 5 6 7; UNK8K8 2 7; UNK8K9 2 7; UNK8K10 4 5; UNK8K11 2 5 6 7; UNK8K12 2 5 7; UNK8K13 7; UNK8K14 7; UNK8U1 1 3 5 7 8; UNK9K1 2 5 6 7; UNK9K2 2 5 6 7; UNK9K3 5 6 7; UNK9K4 5 6 7; UNK9K5 2 5 6 7; UNK9K6 2 5 6 7; UNK9K7 2 5 6 7; UNK9K8 2 7; UNK9K9 2 7; UNK9K10 4 5; UNK9K11 2 5 6 7; UNK9K12 2 5 7; UNK9K13 7; UNK9K14 7; UNK9U1 1 3 5 7 8; UNK10K1 2 5 6 7; UNK10K2 2 5 6 7; UNK10K3 5 6 7; UNK10K4 5 6 7; UNK10K5 2 5 6 7; UNK10K6 2 5 6 7; UNK10K7 2 5 6 7; UNK10K8 2 7; UNK10K9 2 7; UNK10K10 4 5; UNK10K11 2 5 6 7; UNK10K12 2 5 7; UNK10K13 7; UNK10K14 7; UNK10U1 1 3 5 7 8; UNK11K1 2 5 6 7; UNK11K2 2 5 6 7; UNK11K3 5 6 7; UNK11K4 5 6 7; UNK11K5 2 5 6 7; UNK11K6 2 5 6 7; UNK11K7 2 5 6 7; UNK11K8 2 7; UNK11K9 2 7; UNK11K10 4 5; UNK11K11 2 5 6 7; UNK11K12 2 5 7; UNK11K13 7; UNK11K14 7; UNK11U1 1 3 5 7 8; UNK12K1 2 5 6 7; UNK12K2 2 5 6 7; UNK12K3 5 6 7; UNK12K4 5 6 7; UNK12K5 2 5 6 7; UNK12K6 2 5 6 7; UNK12K7 2 5 6 7; UNK12K8 2 7; UNK12K9 2 7; UNK12K10 4 5; UNK12K11 2 5 6 7; UNK12K12 2 5 7; UNK12K13 7; UNK12K14 7; UNK12U1 1 3 5 7 8; UNK13K1 2 5 6 7; UNK13K2 2 5 6 7; UNK13K3 5 6 7; UNK13K4 5 6 7; UNK13K5 2 5 6 7; UNK13K6 2 5 6 7; UNK13K7 2 5 6 7; UNK13K8 2 7; UNK13K9 2 7; UNK13K10 4 5; UNK13K11 2 5 6 7; UNK13K12 2 5 7; UNK13K13 7; UNK13K14 7; UNK13U1 1 3 5 7 8; UNK14K1 2 5 6 7; UNK14K2 2 5 6 7; UNK14K3 5 6 7; UNK14K4 5 6 7; UNK14K5 2 5 6 7; UNK14K6 2 5 6 7; UNK14K7 2 5 6 7; UNK14K8 2 7; UNK14K9 2 7; UNK14K10 4 5; UNK14K11 2 5 6 7; UNK14K12 2 5 7; UNK14K13 7; UNK14K14 7; UNK14U1 1 3 5 7 8; UNK15K1 2 5 6 7; UNK15K2 2 5 6 7; UNK15K3 5 6 7; UNK15K4 5 6 7; UNK15K5 2 5 6 7; UNK15K6 2 5 6 7; UNK15K7 2 5 6 7; UNK15K8 2 7; UNK15K9 2 7; UNK15K10 4 5; UNK15K11 2 5 6 7; UNK15K12 2 5 7; UNK15K13 7; UNK15K14 7; UNK15U1 1 3 5 7 8; UNK16K1 2 5 6 7; UNK16K2 2 5 6 7; UNK16K3 5 6 7; UNK16K4 5 6 7; UNK16K5 2 5 6 7; UNK16K6 2 5 6 7; UNK16K7 2 5 6 7; UNK16K8 2 7; UNK16K9 2 7; UNK16K10 4 5; UNK16K11 2 5 6 7; UNK16K12 2 5 7; UNK16K13 7; UNK16K14 7; UNK16U1 1 3 5 7 8; UNK038NC-GRIFFI18R-A100 1; UNK730-03146-001_FP-ATE 1; UNK980NC-GRIFFI-1C4 1; UNK* 1; UNK*#2 1

## Via types
v1: diameter 8.5, hole 6.401, TOP to BOTTOM, 1 via

## Routing (per net, layer and track width the routed paths; a pad name or vN(x,y) marks a point on that pad's centre or on a via; arc(x,y) is an arc through that point)
Net_1069:
  vias: v1(223.98,156.49)

## Text on the board
User.40: FIGURE | SIZE | 12.1 | 22.0 | 41.0 | 148.0 | 276.0 | 60.24 | 122.0 | 126.0 | 134.0 | 169.0 | 184.0 | 312.0 | 438.0 | 98.0x87.0 | 180.0x122.0 | DRILL CHART: TOP to BOTTOM | ALL UNITS ARE IN MILS | TOLERANCE | +2.0/-2.0 | +3.0/-1.0 | +3.0/-0.0 | +1.57/-0.0 | +1.0/-2.0 | +3.0/-3.0 | +4.0/-4.0 | PLATED | NON-PLATED | QTY | 128 | 4436 | 1672 | 64 | 4 | 32 | 1 | 20 | 24 | 3
